# Altium PCB EPS.PcbDoc (part 4 of 11) (continued)
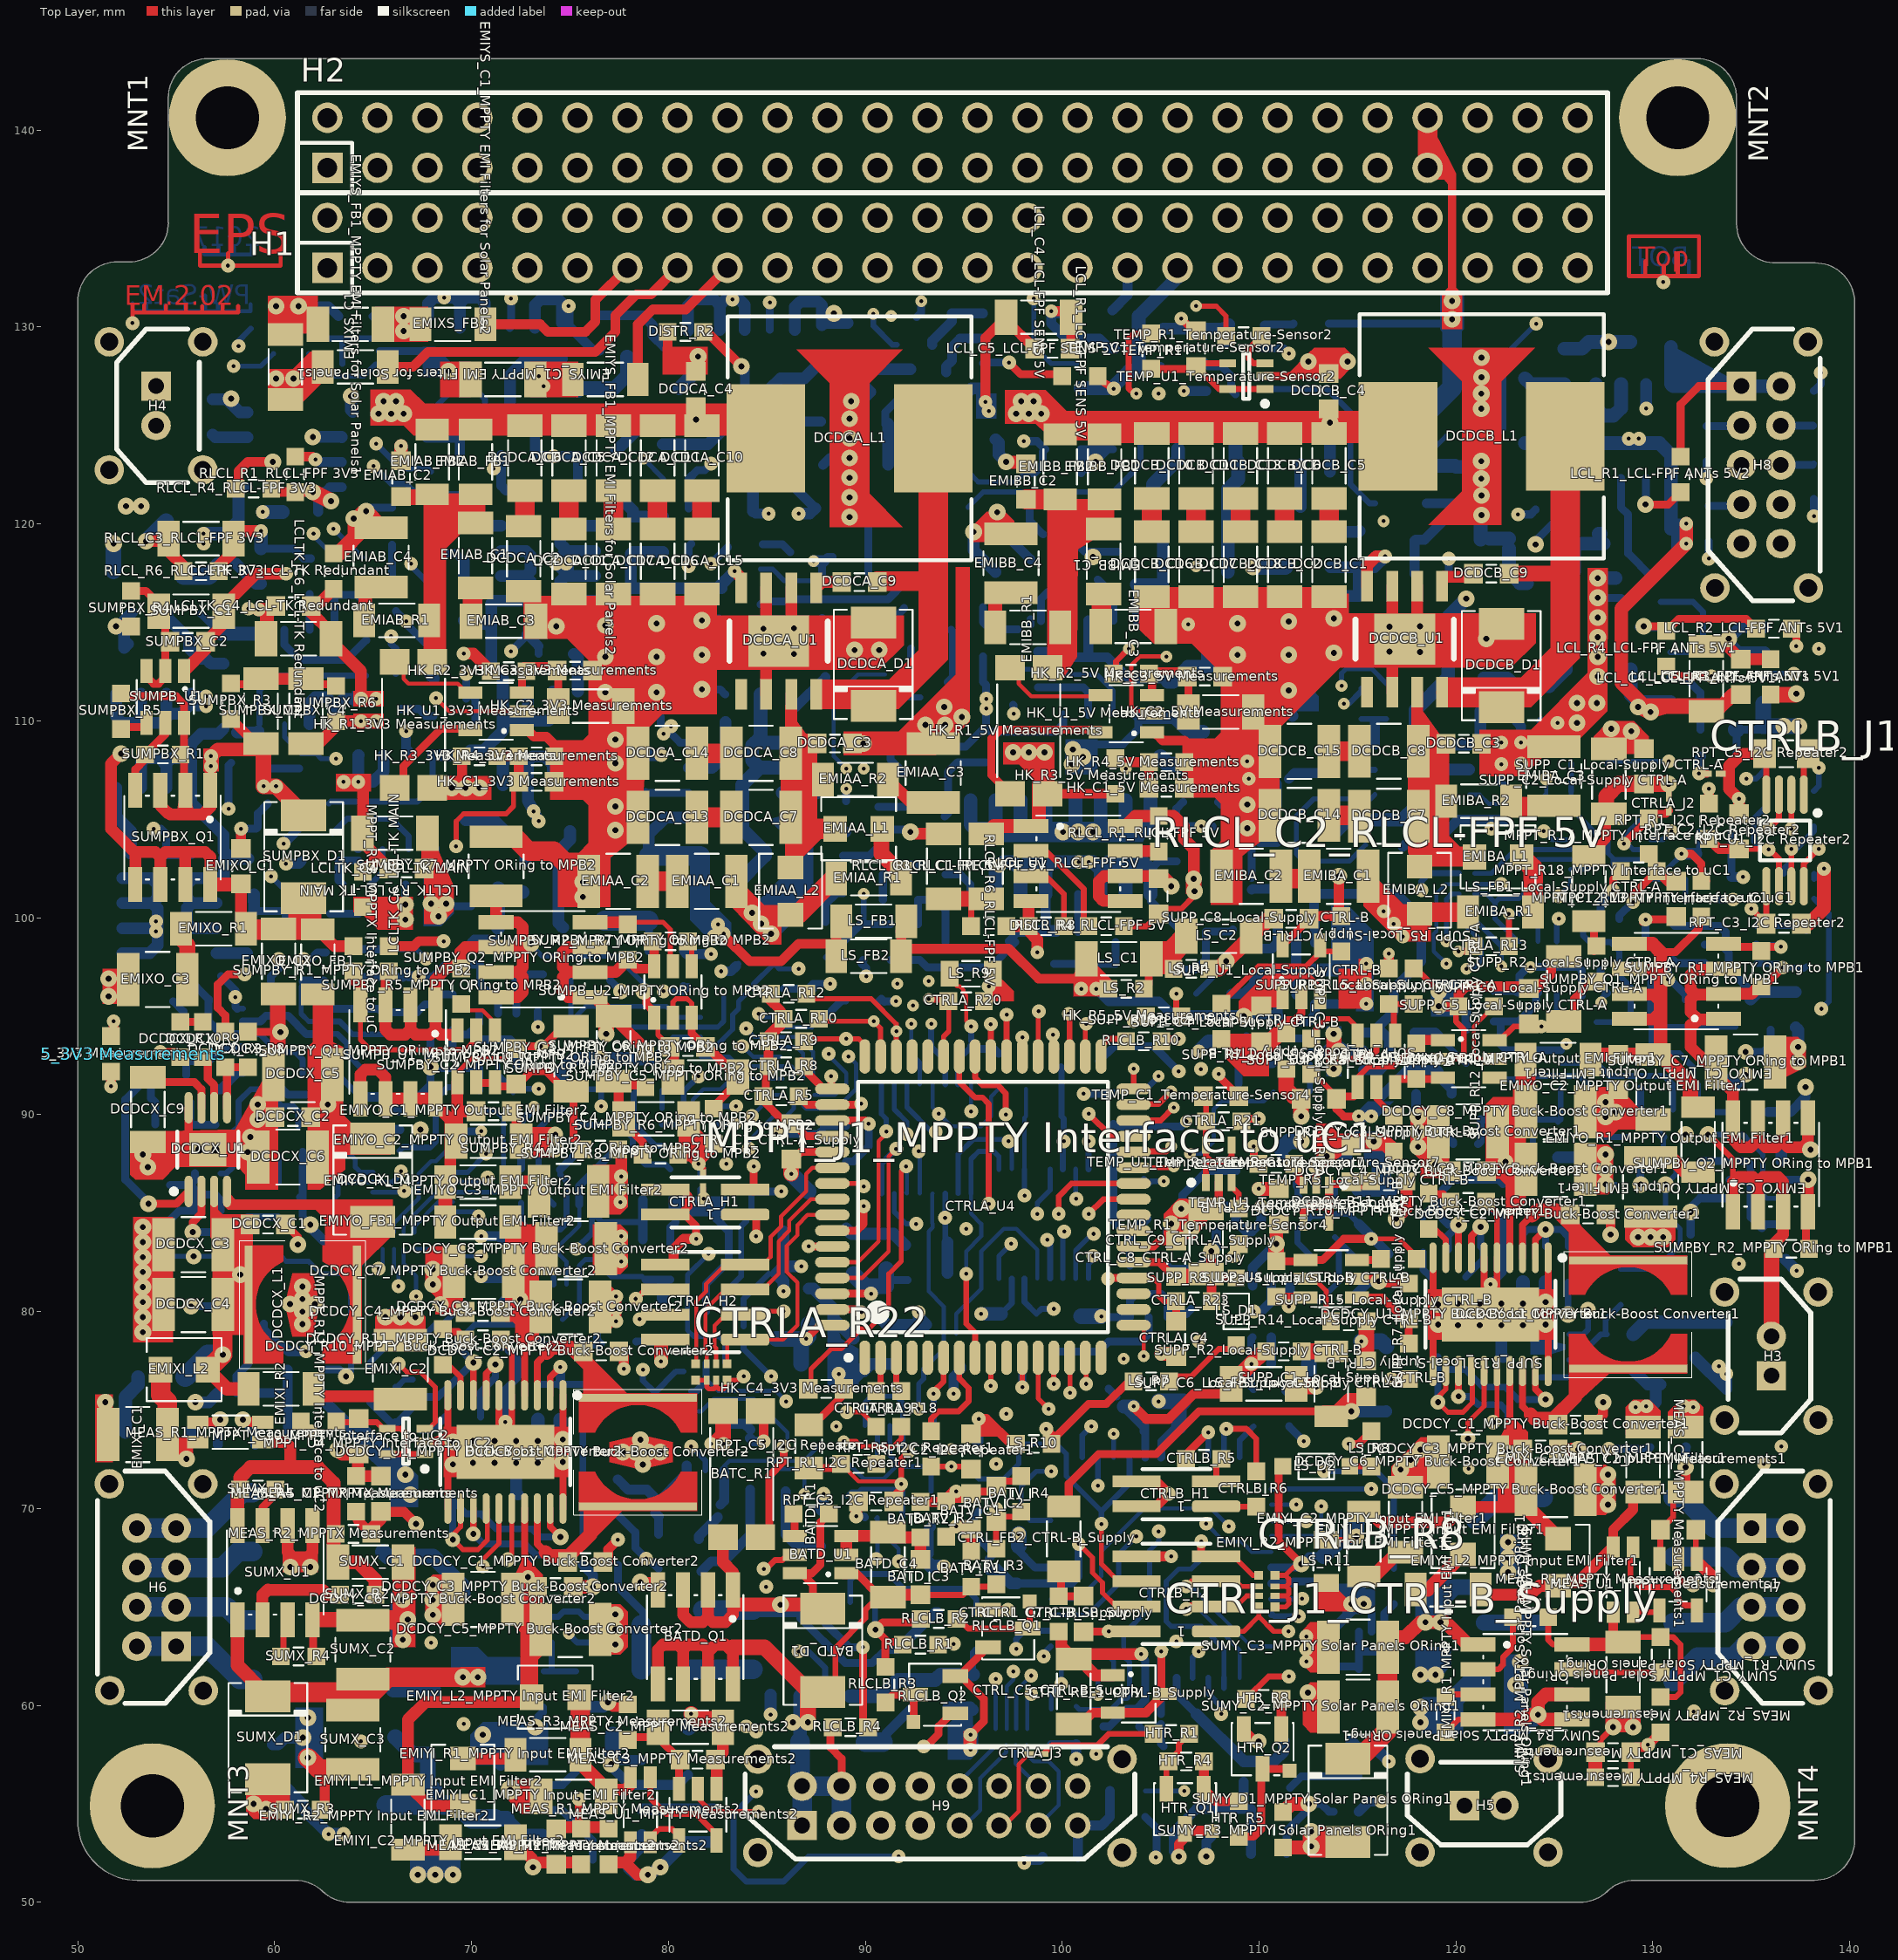
[diagram p0: Top Layer view]
## Part data (continued)
"DCDCY_U1_MPPTY Buck-Boost Converter1" "DCDCY_U1_MPPTY Buck-Boost Converter2": "40V, 2A Synchronous Buck-Boost DC/DC Converter, 20-pin SOP (FE-20-EPV-CA), -40 to 150 degC, Pb-Free", Manufacturer="Linear Technology", Package=FE-20-EPV-CA
EMIAA_L1 EMIBA_L1 EMIXI_L1 "EMIYI_L1_MPPTY Input EMI Filter1" "EMIYI_L1_MPPTY Input EMI Filter2": library part IHLP1212BZERR56M11, "Vishay IHLP1212 Inductor, L=0.56uH, Irise40deg=5.5A, ESR=16mR, SRF=1MHz.", Manufacturer=Vishay, ManufacturerPartNumber=IHLP1212BZERR56M11
EMIAA_L2 EMIBA_L2 EMIXI_L2 "EMIYI_L2_MPPTY Input EMI Filter1" "EMIYI_L2_MPPTY Input EMI Filter2": library part IHLP1212BZER1R0M11, "Vishay IHLP1212 Inductor, L=1uH, Irise40deg=5A, ESR=20mR, SRF=1MHz.", Manufacturer=Vishay, ManufacturerPartNumber=IHLP1212BZER1R0M11
EMIAA_R1 EMIBA_R1 EMIXI_R1 "EMIYI_R1_MPPTY Input EMI Filter1" "EMIYI_R1_MPPTY Input EMI Filter2": library part ERJ-8BQFR22V, "Panasonic Resistor 0.22R 1% 1206 330mW", Manufacturer=Panasonic, Package=1206, ManufacturerPartNumber=ERJ-8BQFR22V
EMIAA_R2 EMIBA_R2: library part ERJ-8BQF1R0V, "Panasonic Resistor 1R 1% 1206 330mW", Manufacturer=Panasonic, Package=1206, ManufacturerPartNumber=ERJ-8BQF1R0V
EMIAB_R1 EMIBB_R1 EMIVBAT_R1: library part CRCW12061R00FKxxxx, "1R/1% Vishay CRCW 1206 Resistor. 250mW, 100ppm, 200V.", Manufacturer=Vishay, Package=1206, ManufacturerPartNumber=CRCW12061R00FKxxxx
EMIXI_R2 "EMIYI_R2_MPPTY Input EMI Filter1" "EMIYI_R2_MPPTY Input EMI Filter2": library part ERJ-8BQFR33V, "Panasonic Resistor 0.33R 1% 1206 330mW", Manufacturer=Panasonic, Package=1206, ManufacturerPartNumber=ERJ-8BQFR33V
EMIXO_R1 "EMIYO_R1_MPPTY Output EMI Filter1" "EMIYO_R1_MPPTY Output EMI Filter2": library part ERJ-8BQFR47V, "Panasonic Resistor 0.47R 1% 1206 330mW", Manufacturer=Panasonic, Package=1206, ManufacturerPartNumber=ERJ-8BQFR47V
EMIXS_T1 EMIXS_T2 "EMIYS_T1_MPPTY EMI Filters for Solar Panels1" "EMIYS_T1_MPPTY EMI Filters for Solar Panels2": library part ACM7060-301-2PL-TL01, "TDK ACM7060-301 Common Mode Choke", Manufacturer=TDK, ManufacturerPartNumber=ACM7060-301-2PL-TL01
H1 H2: library part Samtec_ESQ-126-xx-x-D, "Samtec ESQ Series Header , 2.54mm pitch, 2x26pin. PC-104 Stack Connector.", HelpUrl=http://suddendocs.samtec.com/catalog_english/esq_th.pdf
H3 H4 H5: library part Harwin_Datamate_L-Tek_1x2pin, "Harwin DataMate L-Tek, 2mm pitch, 1x2pin."
H6 H7: library part Harwin_Datamate_L-Tek_2x4pin, "Harwin DataMate L-Tek, 2mm pitch, 2x4pin."
H8: library part Harwin_Datamate_L-Tek_2x5pin, "Harwin DataMate L-Tek, 2mm pitch, 2x5pin."
H9: library part Harwin_Datamate_L-Tek_2x8pin, "Harwin DataMate L-Tek, 2mm pitch, 2x8pin."
"HK_U1_3V3 Measurements" "HK_U1_5V Measurements" "HK_U1_VBAT Measurements": "High-Side Current-Sense Amplifier with Voltage Output", Manufacturer="Maxim Integrated Products"
HTR_Q1: "Silicon Planar Epitaxial PNP Transistor.", Manufacturer=Semelab-TT
HTR_Q2 "LCLTK_Q2_LCL-TK MAIN" "LCLTK_Q2_LCL-TK Redundant" "LCLTK_Q4_LCL-TK MAIN" "LCLTK_Q4_LCL-TK Redundant" RBL_Q2 RBL_Q4 RLCLB_Q1 RLCLB_Q2 SEL_Q1 SEL_Q2: "Silicon Planar Epitaxial NPN Transistor.", Manufacturer=Semelab-TT
HTR_Q3: "N-Channel Enhancement Mode MOS Transistor.", Manufacturer=Semelab-TT
"LCL_U1_LCL-FPF ANTs 5V1" "LCL_U1_LCL-FPF ANTs 5V2" "LCL_U1_LCL-FPF CAMnadir 3V3" "LCL_U1_LCL-FPF CAMwing 3V3" "LCL_U1_LCL-FPF SENS 5V" "LCL_U1_LCL-FPF SunS 3V3" "LCLTK_U1_LCL-TK MAIN" "LCLTK_U1_LCL-TK Redundant" "RLCL_U1_DCDC RLCL" "RLCL_U1_VBAT RLCL" RLCLB_U1 SUMX_U1 "SUMY_U1_MPPTY Solar Panels ORing1" "SUMY_U1_MPPTY Solar Panels ORing2": "Adj over-current protection 0.4-2A, Load Switch", Manufacturer="Fairchild Semiconductor"
LS_D1 LS_D2: "Small Signal Fast Switching Diode", Manufacturer=Vishay
LS_R9 LS_R11: library part Res, Package=0805
"MEAS_R1_MPPTX Measurements" "MEAS_R1_MPPTY Measurements1" "MEAS_R1_MPPTY Measurements2": library part ERJ-8BWFR068V, "Panasonic Resistor 68mR 1% 1206 1W", Manufacturer=Panasonic, Package=1206_Shunt, ManufacturerPartNumber=ERJ-8BWFR068V
MNT1 MNT2 MNT3 MNT4: library part MntHole, "PCB Mounting Hole"
"MPPT_U1_MPPTX Interface to uC" "MPPT_U1_MPPTY Interface to uC1" "MPPT_U1_MPPTY Interface to uC2": "Rail-to-rail, quad operational amplifier. Library compatible with LTC608X LTC607X op-amps", Manufacturer="Linear Technology"
"MPPT_U2_MPPTX Interface to uC" "MPPT_U2_MPPTY Interface to uC1" "MPPT_U2_MPPTY Interface to uC2": "12-Bit Micro Power, RRO Digital-to-Analog Converter.", Manufacturer="Texas Instruments"
"MPPT_U3_MPPTX Interface to uC" "MPPT_U3_MPPTY Interface to uC1" "MPPT_U3_MPPTY Interface to uC2": library part ADC124S021CIMM/NOPB, Manufacturer="Texas Instruments", ManufacturerPartNumber=ADC124S021CIMM/NOPB
"MPPT_U4_MPPTX Interface to uC" "MPPT_U4_MPPTY Interface to uC1" "MPPT_U4_MPPTY Interface to uC2" TEMP_U1_Temperature-Sensor1 TEMP_U1_Temperature-Sensor2 TEMP_U1_Temperature-Sensor3 TEMP_U1_Temperature-Sensor4 TEMP_U1_Temperature-Sensor5 TEMP_U1_Temperature-Sensor6 TEMP_U1_Temperature-Sensor7: "Analog Temperature Sensors with Class-AB Output"
"MPPT_U5_MPPTX Interface to uC" "MPPT_U5_MPPTY Interface to uC1" "MPPT_U5_MPPTY Interface to uC2": library part TLV2370IDBVR, "3-MHz Rail-to-Rail In/Out Single Operational Amplifier", Manufacturer="Texas Instruments", HelpUrl=http://www.ti.com/lit/ds/symlink/tlv2370.pdf, ManufacturerPartNumber=TLV2370IDBVR
"RLCL_U1_RLCL-FPF 3V3" "RLCL_U1_RLCL-FPF 5V": "Adj over-current protection 0.4-2A with auto-reset, Load Switch", Manufacturer="Fairchild Semiconductor"
"RPT_C1_I2C Repeater1" "RPT_C1_I2C Repeater2" "RPT_C2_I2C Repeater1" "RPT_C2_I2C Repeater2": library part Cer_GCM1885C1H100JA16D, "Ceramic Cap Murata Automotive 10p/50V C0G 0603", Manufacturer=Murata, ManufacturerPartNumber=GCM1885C1H100JA16D, Package=0603
"RPT_C5_I2C Repeater1" "RPT_C5_I2C Repeater2": Package=0805
"RPT_R3_I2C Repeater1" "RPT_R3_I2C Repeater2" "RPT_R4_I2C Repeater1" "RPT_R4_I2C Repeater2" "RPT_R5_I2C Repeater1" "RPT_R5_I2C Repeater2" "RPT_R6_I2C Repeater1" "RPT_R6_I2C Repeater2": library part CRCW0603100RFKxxxx, "100R/1% Vishay CRCW 0603 Resistor. 100mW, 100ppm, 75V.", Manufacturer=Vishay, Package=0603, ManufacturerPartNumber=CRCW0603100RFKxxxx
"RPT_U1_I2C Repeater1" "RPT_U1_I2C Repeater2": "Level-Translating I2C Bus Repeater", Manufacturer="Texas Instruments", ManufacturerPartNumber=PCA9517
SEL_D1 SEL_D2 SEL_D3 SEL_D4 SEL_D5 SEL_D6: "Madium Power AF Schottky 750mA 40V Diode", Manufacturer=Infineon
SUMX_C2 SUMX_C3 "SUMY_C2_MPPTY Solar Panels ORing1" "SUMY_C2_MPPTY Solar Panels ORing2" "SUMY_C3_MPPTY Solar Panels ORing1" "SUMY_C3_MPPTY Solar Panels ORing2": library part Cer_GCM32EC7YA106KA03K, "Ceramic Cap Murata Automotive 10u/35V X7S 1210", Manufacturer=Murata, ManufacturerPartNumber=GCM32EC7YA106KA03K, Package=1210
"SUPP_U1_Local-Supply CTRL-A" "SUPP_U1_Local-Supply CTRL-B" "SUPP_U2_Local-Supply CTRL-A" "SUPP_U2_Local-Supply CTRL-B": "100mA, Regulated, Low Noise, LDO Micropower Regulator in TSOT-23", Manufacturer="Linear Technology"
"SUPP_U3_Local-Supply CTRL-A" "SUPP_U3_Local-Supply CTRL-B": "Adjustable Current-Limited Power-Distribution Switch.", Manufacturer="Texas Instruments"
"SUPP_U4_Local-Supply CTRL-A" "SUPP_U4_Local-Supply CTRL-B": "Processor Supervisory Circuits with Window-Watchdog.", Manufacturer="Texas Instruments"

## Via types
v1: diameter 0.7, hole 0.2, Top Layer to Bottom Layer, 431 vias
v2: diameter 0.85, hole 0.3, Top Layer to Bottom Layer, 345 vias
v3: diameter 0.6, hole 0.2, Top Layer to Bottom Layer, 62 vias
v4: diameter 0.8, hole 0.3, Top Layer to Bottom Layer, 19 vias
v5: diameter 0.75, hole 0.3, Top Layer to Bottom Layer, 7 vias
v6: diameter 1, hole 0.4, Top Layer to Bottom Layer, 2 vias
v7: diameter 0.7, hole 0.3, Top Layer to Bottom Layer, 2 vias
v8: diameter 1, hole 0.3, Top Layer to Bottom Layer, 1 vias

## Nets (pads, with @x,y where several pads share a name; then routed paths per layer and width w, separated by ;. In a path a pad name is that pad's centre, name@x,y a point inside that pad or via, vN(x,y) a via of type N, cw(c..) or ccw(c..) an arc to the next point about the centre after c; other vN are vias at no path point)
AGND: "MPPT_C3_MPPTX Interface to uC.1" "MPPT_C3_MPPTY Interface to uC1.1" "MPPT_C3_MPPTY Interface to uC2.1" "MPPT_C5_MPPTX Interface to uC.2" "MPPT_C5_MPPTY Interface to uC1.2" "MPPT_C5_MPPTY Interface to uC2.2" "MPPT_C6_MPPTX Interface to uC.1" "MPPT_C6_MPPTY Interface to uC1.1" "MPPT_C6_MPPTY Interface to uC2.1" "MPPT_C7_MPPTX Interface to uC.1" "MPPT_C7_MPPTY Interface to uC1.1" "MPPT_C7_MPPTY Interface to uC2.1" "MPPT_C8_MPPTX Interface to uC.2" "MPPT_C8_MPPTY Interface to uC1.2" "MPPT_C8_MPPTY Interface to uC2.2" "MPPT_C9_MPPTX Interface to uC.1" "MPPT_C9_MPPTY Interface to uC1.1" "MPPT_C9_MPPTY Interface to uC2.1" "MPPT_C11_MPPTX Interface to uC.1" "MPPT_C11_MPPTY Interface to uC1.1" "MPPT_C11_MPPTY Interface to uC2.1" "MPPT_C12_MPPTX Interface to uC.1" "MPPT_C12_MPPTY Interface to uC1.1" "MPPT_C12_MPPTY Interface to uC2.1" "MPPT_J1_MPPTX Interface to uC.2" "MPPT_J1_MPPTY Interface to uC1.2" "MPPT_J1_MPPTY Interface to uC2.2" "MPPT_R3_MPPTX Interface to uC.1" "MPPT_R3_MPPTY Interface to uC1.1" "MPPT_R3_MPPTY Interface to uC2.1" "MPPT_R7_MPPTX Interface to uC.1" "MPPT_R7_MPPTY Interface to uC1.1" "MPPT_R7_MPPTY Interface to uC2.1" "MPPT_R9_MPPTX Interface to uC.1" "MPPT_R9_MPPTY Interface to uC1.1" "MPPT_R9_MPPTY Interface to uC2.1" "MPPT_R14_MPPTX Interface to uC.1" "MPPT_R14_MPPTY Interface to uC1.1" "MPPT_R14_MPPTY Interface to uC2.1" "MPPT_R18_MPPTX Interface to uC.2" "MPPT_R18_MPPTY Interface to uC1.2" "MPPT_R18_MPPTY Interface to uC2.2" "MPPT_U1_MPPTX Interface to uC.4" "MPPT_U1_MPPTY Interface to uC1.4" "MPPT_U1_MPPTY Interface to uC2.4" "MPPT_U2_MPPTX Interface to uC.2" "MPPT_U2_MPPTY Interface to uC1.2" "MPPT_U2_MPPTY Interface to uC2.2" "MPPT_U3_MPPTX Interface to uC.3" "MPPT_U3_MPPTY Interface to uC1.3" "MPPT_U3_MPPTY Interface to uC2.3" "MPPT_U5_MPPTX Interface to uC.2" "MPPT_U5_MPPTY Interface to uC1.2" "MPPT_U5_MPPTY Interface to uC2.2" | length 78.3
  Top Layer w0.3: 81.763,86.258 81.763,85.75 v1(81.788,85.725)
  Top Layer w0.4: v1(127.978,101.384) 127.978,101.954 128.386,102.362 ; v1@129.502,99.784 v1(129.629,99.911) 130.783,99.911 130.899,100.027
  Bottom Layer w0.254: 64.993,86.068 66.637,86.068 66.586,86.119 v1(66.577,86.119) ; 79.121,92.826 80.237,93.942 81.63,93.942 ; 127.724,105.245 127.724,103.289 128.054,102.959 129.876,102.959 ; v1(127.978,101.384) 127.978,102.959
  Bottom Layer w0.3: 58.094,95.384 58.382,95.384 ; 64.135,89.143 64.235,89.243 ; 72.86,81.739 72.898,81.777 73.506,82.385 74.003,82.385 74.171,82.217 74.171,81.376 ; 79.678,89.497 80.48,89.497 80.772,89.789 80.772,91.186 v1(81.534,91.948) ; 81.61,86.208 81.61,85.903 v1(81.788,85.725) ; 87.312,96.468 87.376,96.404
  Bottom Layer w0.4: v2(55.753,80.264) 56.758,80.264 57.647,79.375 ; 57.288,97.028 58.001,96.315 v1(58.001,95.974) 58.001,95.477 58.094,95.384 ; 61.292,85.814 61.419,85.687 ; 61.419,88.1 61.419,85.687 ; v2(61.811,84.417) 61.419,84.809 61.419,85.687 ; 64.478,97.001 66.521,97.001 ; v1(67.307,97.023) 68.067,97.023 68.669,97.625 70.436,97.625 70.436,96.482 70.574,96.482 71.336,95.72 71.336,95.125 ; 80.099,83.412 80.099,84.279 80.364,84.544 ; v1(81.788,85.725) 82.285,85.228 82.285,84.963 ; 81.915,80.012 81.915,81.407 83.058,82.55 83.058,84.074 82.423,84.709 ; 85.863,96.393 85.863,96.404 87.365,96.404 87.238,96.531 87.376,96.531 ; 87.348,96.641 v1(88.216,96.641) ; 121.92,94.742 123.19,94.742 124.066,95.618 124.066,96.086 124.168,96.188 ; 122.263,94.566 122.263,93.572 122.39,93.445 122.569,93.266 125.318,93.266 ; 127.343,99.951 127.343,100.749 v1(127.978,101.384) ; 129.364,87.592 129.364,86.46 v2(129.375,86.449) ; 129.629,98.906 v1(129.629,99.911) ; 132.931,92.661 134.085,91.507 134.085,91.402 ; 133.985,102.07 133.985,104.24
  Bottom Layer w0.5: v2(61.811,84.417) 61.811,84.279 63.208,82.882 ; 64.235,89.243 66.343,89.243 ; 66.521,97.001 66.675,97.155 66.807,97.023 v1(67.307,97.023) ; 127.724,106.515 127.724,105.361 127.84,105.245 ; 133.985,102.07 v1(134.582,102.07)
  Bottom Layer w0.6: 71.59,81.739 72.86,81.739 ; 134.085,91.402 v4(134.709,92.026)
  Bottom Layer w0.7: v1(70.485,81.788) 71.541,81.788 ; 74.612,92.023 74.612,92.266 75.184,92.837 76.454,92.837 v1(76.581,92.964) 76.708,92.837 79.121,92.837
  other v2: 67.399,89.243
  other v3: 125.603,93.599
BAT_MEAS_VOLTAGE_N: BATV_C1.1 BATV_R1.2 BATV_R2.1 CTRLA_U3.10 | length 23.3
  Top Layer w0.4: BATV_R2.1@94.069,68.531 94.069,68.771 94.298,68.771 v1(94.615,69.088) 94.693,69.166 BATV_C1.1@95.339,69.166
  Top Layer w0.6: BATV_R1.2@95.377,67.829 BATV_C1.1@95.377,68.95
  Signal 1 w0.254: v1(94.615,69.088) 97.409,71.882 97.409,73.152 97.917,73.66 97.917,74.93 98.806,75.819 98.806,81.226 101.527,83.947 v1(101.6,83.947)
  Bottom Layer w0.254: CTRLA_U3.10@100.685,81.68 100.685,83.105 101.527,83.947 v1(101.6,83.947)
BAT_MEAS_VOLTAGE_R: BATV_C2.1 BATV_R3.2 BATV_R4.1 CTRLB_U1.36 | length 17.3
  Top Layer w0.3: BATV_R3.2@96.647,67.956 BATV_C2.1@96.647,69.331 96.901,69.585 BATV_R4.1@97.917,69.585
  Control Signals 2 w0.3: v1(96.647,69.977) 102.362,69.977 v1(103.759,68.58)
  Bottom Layer w0.254: CTRLB_U1.36@99.417,64.593 101.296,64.593 102.87,66.167 102.87,67.691 v1(103.759,68.58)
CHRG_LCL_FB: CTRLA_R20.2 CTRLA_U4.43 RLCLB_U1.7 | length 49.6
  Top Layer w0.254: CTRLA_U4.43@93.974,92.956 93.974,93.974 94.234,94.234 CTRLA_R20.2@94.234,95.62
  Top Layer w0.4: v3(93.218,95.885) 93.842,95.885 94.096,95.631 CTRLA_R20.2@94.223,95.758 CTRLA_R20.2@94.234,95.747
  Signal 1 w0.254: v3(88.519,74.168) 89.662,74.168 90.424,74.93 90.424,78.359 88.392,80.391 88.392,90.678 91.313,93.599 93.472,93.599 94.107,94.234 94.107,94.996 v3(93.218,95.885)
  Signal 2 w0.254: v1(86.614,62.738) 83.947,65.405 83.947,69.596 v3(88.519,74.168) v3@88.519,74.041
  Bottom Layer w0.3: v1(86.614,62.738) 87.122,62.738 87.958,61.902 RLCLB_U1.7@87.958,60.467
CHRG_LCLN_ON: CTRLA_U4.33 RLCLB_R10.1 | length 1.7
  Top Layer w0.3: CTRLA_U4.33@101.97,92.96 CTRLA_U4.33@101.974,92.956 ; CTRLA_U4.33@101.981,93.218 101.981,93.472 102.362,93.853 RLCLB_R10.1@103.24,93.853
CHRG_LCLR_ON: CTRLB_U1.11 RLCLB_R9.1 | length 1.9
  Bottom Layer w0.3: CTRLB_U1.11@109.017,72.593 109.017,73.468 RLCLB_R9.1@109.717,74.168
CHRG_MEAS_CURRENT: BATC_U1.2 CTRLA_U3.12 | length 31
  Signal 2 w0.208: v3(86.903,70.726) 86.881,70.726 86.881,69.456 87.503,68.834 93.091,68.834 94.466,70.209 94.887,70.209 95.377,70.699 95.377,72.263 96.498,73.384 96.498,75.162 96.52,75.184
  Signal 2 w0.254: 96.52,75.184 97.155,75.819 97.155,78.105 98.298,79.248 98.298,82.702 v1(99.238,83.642)
  Bottom Layer w0.208: BATC_U1.2@85.052,71.169 85.052,71.717 85.344,72.009 86.614,72.009 86.903,71.72 v3(86.903,70.726)
  Bottom Layer w0.3: v1(99.238,83.642) 99.385,83.495 CTRLA_U3.12@99.385,81.68
CTRLA_3V3A: "HK_R2_3V3 Measurements.1" "HK_R2_5V Measurements.1" "HK_R2_VBAT Measurements.1" "LS_FB1_Local-Supply CTRL-A.2" "MEAS_R3_MPPTX Measurements.1" "MEAS_R3_MPPTY Measurements1.1" "MEAS_R3_MPPTY Measurements2.1" "SUPP_C1_Local-Supply CTRL-A.1" "SUPP_C2_Local-Supply CTRL-A.1" "TEMP_R5_Local-Supply CTRL-A.2" CTRL_FB1_CTRL-A_Supply.1 CTRL_FB2_CTRL-A_Supply.1 CTRLA_C1.1 CTRLA_C3.1 CTRLA_J1.2 CTRLA_J2.2 CTRLA_J4.2 CTRLA_R21.2 CTRLA_U2.14 CTRLA_U3.14 TEMP_R1.2 TEMP_R2.2 TEMP_R4.2 | length 325.2
  Top Layer w0.3: 102.732,112.395 102.732,113.019 v3(103.378,113.665) ; v3(103.759,126.619) 103.632,126.619 103.378,126.873 103.378,129.413 103.643,129.678 TEMP_R1.2@104.521,129.678 ; v2(130.799,106.796) 130.81,106.785 CTRLA_J2.2@130.81,106.147
  Top Layer w0.4: CTRLA_R21.2@109.104,89.662 109.231,89.789 v1(109.982,89.789)
  Top Layer w0.5: v2(76.924,60.16) 77.167,59.917 77.94,59.917 ; 126.746,103.123 127.635,104.012 127.635,105.526
  Top Layer w0.6: v1(69.596,113.411) 70.093,113.411 70.982,112.522
  Top Layer w0.8: 127.635,105.526 127.635,106.172 128.259,106.796 129.54,106.796 v2(130.799,106.796)
  Power w0.6: v1(99.568,80.137) 99.568,79.629 100.33,78.867 104.775,78.867 105.918,80.01 108.204,80.01 109.855,81.661 109.855,83.058 108.463,84.45 108.463,88.778 109.474,89.789 v1(109.982,89.789)
  Signal 1 w0.6: v4(63.627,76.708) 63.627,75.565 64.262,74.93 64.262,69.977 67.159,67.08 68.429,67.08 75.349,60.16 v2(76.924,60.16)
  Signal 2 w0.6: v4(63.627,76.708) 65.278,78.359 68.072,78.359 68.707,78.994 75.316,78.994 75.824,78.486 82.423,78.486 84.963,81.026 v1(85.852,81.026) ; v1(69.596,113.411) 70.358,113.411 75.438,108.331 75.438,104.14 77.089,102.489 90.297,102.489 94.071,98.715 94.071,95.278 93.409,94.615 v3(93.345,94.615) ; v1(127.762,73.025) 126.492,74.295 126.492,76.454 128.905,78.867 128.905,80.264 133.858,85.217 133.858,89.789 132.461,91.186 132.461,104.267 130.799,105.929 v2(130.799,106.796)
  Signal 2 w0.7: v3(103.378,113.665) 103.378,114.808 105.156,116.586 117.983,116.586 v1(119.634,118.237) 120.65,118.237 124.079,114.808 124.079,109.588 126.871,106.796 v2(130.799,106.796)
  Control Signals 1 w0.3: v1(58.166,129.032) 60.833,129.032 62.865,127 62.865,123.952 65.786,121.031 65.786,117.983 69.596,114.173 v1(69.596,113.411)
  Control Signals 2 w0.3: v3(103.378,113.665) 103.378,126.238 v3(103.759,126.619)
  Control Signals 2 w0.6: v1(86.741,82.296) 90.297,82.296 91.567,81.026 98.679,81.026 v1(99.568,80.137) ; v3(93.345,94.615) 94.361,95.631 94.361,98.425 95.631,99.695 109.347,99.695 110.871,98.171
  Control Signals 2 w0.7: v3(103.378,113.665) 106.553,110.49 108.458,110.49 110.871,108.077 110.871,98.171 110.871,92.964 109.982,92.075 v1(109.982,89.789)
  Bottom Layer w0.3: v1(58.166,129.032) 58.039,129.032 57.97,129.101 58.033,129.165 TEMP_R4.2@58.79,129.921 ; v4(63.627,76.708) 63.881,76.962 CTRLA_J1.2@63.881,79.146 ; CTRLA_J4.2@83.82,79.248 CTRLA_J4.2@83.82,79.35 83.82,80.645 CTRL_FB1_CTRL-A_Supply.1@85.09,81.915 ; CTRL_FB1_CTRL-A_Supply.1@85.343,81.914 CTRL_FB1_CTRL-A_Supply.1@85.471,81.914 ; v3(93.345,94.615) 93.345,93.461 94.066,92.74 CTRLA_U2.14@94.066,91.548 ; CTRLA_U3.14@98.085,81.68 98.085,80.488 CTRLA_C3.1@98.69,79.883 98.944,80.137 v1(99.568,80.137)
  Bottom Layer w0.4: 62.457,77.051 63.284,77.051 v4(63.627,76.708) ; 108.966,89.778 109.971,89.778 v1(109.982,89.789) ; v1(119.634,118.237) 119.634,117.232 119.645,117.221 ; v1(127.762,73.025) 129.783,73.025 129.872,73.114
  Bottom Layer w0.6: TEMP_R2.2@75.311,59.933 76.697,59.933 v2(76.924,60.16) ; v1(85.852,81.026) 85.852,81.533 85.471,81.914 CTRL_FB1_CTRL-A_Supply.1@85.852,82.295 ; CTRL_FB2_CTRL-A_Supply.1@85.852,84.074 CTRL_FB1_CTRL-A_Supply.1@85.852,82.295 ; v1(86.741,82.296) 85.853,82.296 CTRL_FB1_CTRL-A_Supply.1@85.852,82.295
CTRLA_3V3D: "RLCL_R3_DCDC RLCL.2" "RLCL_R3_VBAT RLCL.2" "RPT_C3_I2C Repeater1.2" "RPT_C5_I2C Repeater1.1" "RPT_R1_I2C Repeater1.1" "RPT_R2_I2C Repeater1.1" "RPT_U1_I2C Repeater1.1" "RPT_U1_I2C Repeater1.5" "RPT_U1_I2C Repeater1.8" "SUPP_C5_Local-Supply CTRL-A.1" "SUPP_C6_Local-Supply CTRL-A.1" "SUPP_R2_Local-Supply CTRL-A.1" "SUPP_U3_Local-Supply CTRL-A.6" BATC_R3.1 BATC_R4.1 CTRL_C1_CTRL-A_Supply.1 CTRL_C2_CTRL-A_Supply.1 CTRL_C8_CTRL-A_Supply.1 CTRL_C9_CTRL-A_Supply.1 CTRLA_C5.1 CTRLA_H2.4 CTRLA_J3.2 CTRLA_R2.1 CTRLA_R5.1 CTRLA_R8.1 CTRLA_R9.1 CTRLA_R10.1 CTRLA_R12.1 CTRLA_R20.1 CTRLA_R22.1 CTRLA_R22.2 CTRLA_R22.3 CTRLA_R22.4 CTRLA_R23.2 CTRLA_U1.5 CTRLA_U2.2 CTRLA_U3.2 CTRLA_U4.21 CTRLA_U4.52 CTRLB_R3.2 HTR_R1.2 LS_D1.A LS_R9.2 SEL_C2.1 SEL_R10.2 SEL_U1.5 | length 331.2
  Top Layer w0.208: 88.762,72.263 89.651,71.374 91.694,71.374 v1(91.821,71.247)
  Top Layer w0.254: CTRLA_R22.1@81.382,76.517 CTRLA_R22.2@81.94,76.517 81.94,76.175 82.042,76.073 82.296,76.073 82.423,76.2 ; CTRLA_R22.3@82.423,76.517 82.423,76.2 ; v1@83.82,76.517 CTRLA_R22.4@82.982,76.517 82.982,76.251 82.804,76.073 82.55,76.073 82.423,76.2
  Top Layer w0.3: v1(91.821,71.247) 91.821,72.517 v1(92.202,72.898) ; v1@96.15,96.404 96.223,96.477 LS_R9.2@96.223,97.155 ; CTRLA_J3.2@99.035,57.531 99.484,57.98 101.795,57.98 ; v1(101.727,57.531) 101.795,57.599 101.795,57.98 ; HTR_R1.2@104.51,58.42 104.383,58.547 102.362,58.547 101.795,57.98 ; CTRL_C9_CTRL-A_Supply.1@107.315,81.916 CTRL_C9_CTRL-A_Supply.1@107.521,81.71 ; 121.96,93.787 122.235,93.787 122.925,94.477 123.698,94.477
  Top Layer w0.4: CTRLA_R8.1@84.952,92.456 84.952,90.932 84.925,90.88 84.825,90.689 85.852,89.662 CTRL_C1_CTRL-A_Supply.1@85.852,89.408 ; v1(85.471,89.027) CTRL_C1_CTRL-A_Supply.1@85.852,89.408 ; CTRL_C1_CTRL-A_Supply.1@86.233,89.546 85.99,89.546 CTRL_C1_CTRL-A_Supply.1@85.852,89.408 ; CTRL_C1_CTRL-A_Supply.1@86.36,89.546 87,88.906 CTRLA_U4.52@88.324,88.906 ; 87.122,72.052 88.551,72.052 88.762,72.263 ; 91.451,70.358 91.451,70.623 91.821,70.993 v1(91.821,71.247) ; CTRLA_R20.1@96.023,95.758 96.266,96.001 v1(96.266,96.52) ; CTRLA_U4.21@103.624,82.506 104.935,82.506 CTRL_C8_CTRL-A_Supply.1@105.664,81.777 ; CTRL_C9_CTRL-A_Supply.1@107.176,81.777 CTRL_C9_CTRL-A_Supply.1@107.315,81.916 ; CTRL_C9_CTRL-A_Supply.1@107.521,81.71 LS_D1.A@108.839,81.71 ; 123.698,94.477 123.825,94.477 v1(124.333,94.477) 125.083,94.477 125.476,94.87 125.603,94.87 ; 125.476,94.743 125.603,94.87 ; 127.127,96.763 126.862,96.763 125.984,95.885 125.984,95.251 125.603,94.87
  Top Layer w0.5: CTRLA_R8.1@85.079,92.456 CTRLA_R9.1@85.079,93.726 CTRLA_R9.1@85.079,93.969 ; CTRLA_R12.1@85.079,96.139 85.079,95.896 85.714,95.261 CTRLA_R10.1@85.714,94.604 ; CTRL_C9_CTRL-A_Supply.1@107.315,81.916 107.569,82.17 v2(107.569,83.058) ; CTRL_C9_CTRL-A_Supply.1@107.521,81.71 107.58,81.651 CTRLA_R23.2@107.58,80.518 ; 123.698,94.604 123.825,94.477
  Top Layer w0.6: CTRLA_R9.1@85.079,93.969 CTRLA_R10.1@85.714,94.604
  Top Layer w0.8: CTRL_C8_CTRL-A_Supply.1@105.791,81.777 CTRL_C9_CTRL-A_Supply.1@107.176,81.777
  Power w0.4: v2(107.569,83.058) 107.569,89.154 109.22,90.805 110.49,90.805 110.998,90.297 110.998,87.249 112.522,85.725 114.808,85.725 116.967,87.884 116.967,91.567 119.877,94.477 v1(124.333,94.477)
  Power w0.7: v1(78.867,67.456) 83.82,72.409 v1(83.82,76.708)
  Signal 1 w0.3: v1(91.694,52.324) 96.799,52.324 97.206,52.73 98.603,52.73 99.009,52.324 100.965,52.324 104.775,56.134 104.775,57.785 103.886,58.674 102.362,58.674 101.727,58.039 v1(101.727,57.531)
  Signal 1 w0.4: v1(85.471,89.027) 85.471,95.123 89.027,98.679 94.107,98.679 v1(96.266,96.52) 97.155,96.52 98.053,95.622 98.053,94.938 98.494,94.497 98.727,94.264 98.727,93.012 98.044,92.329 98.044,89.408 v1(97.282,88.646)
  Signal 1 w0.6: v1(78.537,79.609) 79.649,79.609 82.55,76.708 v1(83.82,76.708)
  Signal 1 w0.7: v1(97.282,88.646) 98.425,87.503 102.108,87.503 103.632,85.979 103.632,84.328 104.902,83.058 v2(107.569,83.058)
  Signal 2 w0.3: v1(78.867,67.456) 82.042,64.281 82.042,56.261 82.677,55.626 v1(84.455,55.626)
  Signal 2 w0.5: v1(83.82,76.708) 84.709,77.597 85.979,77.597 87.63,75.946 90.043,75.946 91.567,74.422
  Signal 2 w0.6: v1(92.202,72.898) 91.567,73.533 91.567,74.422 91.567,84.963 92.329,85.725 94.361,85.725 v1(97.282,88.646)
  Control Signals 1 w0.4: v1(79.633,108.255) 81.966,108.255 83.566,109.855 83.566,115.951 86.741,119.126 90.678,119.126 95.758,124.206 v1(98.044,124.206) ; v1(96.266,96.52) 95.504,97.282 95.504,108.331 v1(97.536,110.363)
  Control Signals 2 w0.6: v1(78.537,79.609) 79.502,80.574 79.502,87.122 77.978,88.646 76.708,88.646 75.438,89.916 75.438,96.901 79.633,101.096 v1(79.633,108.255)
  Bottom Layer w0.208: 89.027,70.601 89.292,70.866 89.662,70.866 89.789,70.993 91.694,70.993 v1@91.885,71.183 ; CTRLA_U3.2@97.435,87.23 v1@97.435,88.747
  Bottom Layer w0.254: 89.98,74.207 89.98,75.374 90.297,75.692 91.567,75.692 91.885,75.374 91.885,74.207 ; CTRLA_U2.2@94.716,85.998 94.716,87.985 95.478,88.747 v1@97.435,88.747 ; SEL_R10.2@95.212,122.655 95.731,122.136 97.625,122.136 98.067,122.578 SEL_U1.5@98.347,122.578
  Bottom Layer w0.3: v1(84.455,55.626) 83.312,54.483 83.312,51.689 83.947,51.054 85.852,51.054 87.122,52.324 v1(91.694,52.324) ; 91.885,69.557 v1@91.885,71.183 ; 91.885,74.207 91.885,73.215 v1(92.202,72.898)
  Bottom Layer w0.4: BATC_R4.1@77.432,69.674 78.321,68.785 78.321,68.002 v1(78.867,67.456) 78.975,67.456 BATC_R3.1@79.502,66.929 ; v1(85.471,89.027) 87.63,89.027 87.757,89.154 CTRL_C2_CTRL-A_Supply.1@88.011,88.9 ; CTRL_C2_CTRL-A_Supply.1@87.884,89.419 CTRLA_R2.1@89.027,89.419 ; 97.498,110.822 97.536,110.784 v1(97.536,110.363) ; v1(98.044,124.206) 98.719,124.206 SEL_C2.1@99.138,123.787 99.022,123.671 99.022,123.025 98.575,122.578 SEL_U1.5@98.347,122.578 ; CTRLA_U1.5@105.344,82.336 105.511,82.169 106.31,82.169 CTRLA_C5.1@106.553,81.926 v2@107.569,82.942
  Bottom Layer w0.5: v2@107.823,83.196 CTRLB_R3.2@107.823,84.074
  Bottom Layer w0.6: 78.829,108.177 78.907,108.255 v1(79.633,108.255)
CTRLA_BATC_CURR_DCHRG: BATC_U2.2 CTRLA_U3.11 | length 33.1
  Signal 1 w0.254: v1(81.153,73.152) 81.153,72.517 81.788,71.882 85.979,71.882 86.614,72.517 89.408,72.517 91.186,74.295 93.091,74.295 93.472,74.676 94.923,74.676 95.476,75.229 96.729,75.229 v1(97.155,74.803)
  Signal 2 w0.254: v1(97.155,74.803) 97.663,74.803 98.806,75.946 98.806,81.788 100.098,83.08 v1(100.098,84.06)
  Bottom Layer w0.254: CTRLA_U3.11@100.035,81.68 v1@100.035,84.06
  Bottom Layer w0.3: v1(81.153,73.152) 81.877,72.428 BATC_U2.2@81.877,71.931
CTRLA_BATC_Heater: CTRLA_U4.34 HTR_R8.2 | length 51.8
  Top Layer w0.254: CTRLA_U4.34@101.174,92.956 101.174,94.697 101.219,94.652 v1(101.219,94.615)
  Top Layer w0.3: HTR_R8.2@109.336,60.325 110.479,61.468 v1(111.506,61.468)
  Signal 2 w0.254: v1(101.219,94.615) 102.489,95.885 104.394,95.885 105.156,95.123 107.569,95.123 108.712,93.98 109.474,93.98 114.554,88.9 114.554,80.772 115.951,79.375 115.951,72.517 114.935,71.501 114.935,69.977 113.919,68.961 113.919,62.738 112.649,61.468 v1(111.506,61.468)
CTRLA_BATC_TEMP: CTRLA_U3.13 TEMP_R1_Temperature-Sensor3.2 | length 9.9
  Bottom Layer w0.208: TEMP_R1_Temperature-Sensor3.2@94.615,78.878 94.615,79.883 95.885,81.153 95.885,83.058 97.028,84.201 97.663,84.201 98.735,83.129 CTRLA_U3.13@98.735,81.68
CTRLA_BATC_TMP_C\S\1: CTRLA_R16.8 CTRLA_U4.29 | length 57.7
  Top Layer w0.3: v1(101.346,90.043) 102.483,88.906 CTRLA_U4.29@103.624,88.906 103.63,88.9 CTRLA_U4.29@103.697,88.967
  Signal 1 w0.208: v1(96.647,72.263) 95.631,71.247 95.631,70.866 94.615,69.85 94.234,69.85 93.091,68.707 93.091,62.484 93.98,61.595 94.996,61.595 96.012,60.579 v1(98.425,60.579) ; v1(101.346,90.043) 102.489,90.043 103.505,89.027 106.68,89.027 107.442,88.265 107.442,86.233 110.109,83.566 110.109,81.788 108.077,79.756 108.077,78.359 107.442,77.724 106.553,77.724 105.918,78.359 105.918,78.867 105.41,79.375 103.759,79.375 103.124,78.74 v3(103.124,77.597)
  Signal 2 w0.208: v1(96.647,72.263) 97.663,73.279 99.568,73.279 103.124,76.835 v3(103.124,77.597)
  Bottom Layer w0.208: CTRLA_R16.8@98.222,58.801 98.222,60.376 v1(98.425,60.579)
CTRLA_BATC_TMP_C\S\2: CTRLA_R16.7 CTRLA_U4.30 | length 45.6
  Top Layer w0.3: CTRLA_U4.30@103.624,89.706 105.005,89.706 v3(105.664,90.365)
  Signal 2 w0.208: v1(98.425,61.508) 98.403,61.531 98.403,62.97 101.346,65.913 105.029,65.913 106.404,67.288 106.404,70.717 107.442,71.755 108.712,71.755 109.855,72.898 109.855,75.438 108.712,76.581 108.712,78.74 108.077,79.375 108.077,80.772 109.601,82.296 109.601,83.947 108.712,84.836 108.712,88.646 106.993,90.365 v3(105.664,90.365)
  Bottom Layer w0.208: CTRLA_R16.7@97.663,58.801 97.663,60.746 v1(98.425,61.508) v1@98.421,61.512
CTRLA_BURN_SADS: "LCLTK_R11_LCL-TK MAIN.2" "LCLTK_R12_LCL-TK MAIN.2" CTRLA_U4.42 | length 58.6
  Top Layer w0.3: CTRLA_U4.42@94.774,92.956 94.774,91.662 95.563,90.873 95.944,90.873 96.266,90.551 v1(96.266,85.471)
  Control Signals 1 w0.254: v1(65.913,114.3) 65.913,108.966 66.802,108.077 70.231,108.077 72.009,106.299 72.009,103.378 76.327,99.06 78.105,99.06 80.518,96.647 80.518,94.361 82.804,92.075 84.582,92.075 88.646,88.011 89.662,88.011 91.44,86.233 95.504,86.233 v1(96.266,85.471)
  Bottom Layer w0.35: v1(65.913,114.3) 65.913,113.908 66.156,113.665 ; 66.15,112.4 66.15,113.5
CTRLA_BURN_SAIL: "LCLTK_R3_LCL-TK MAIN.2" "LCLTK_R5_LCL-TK MAIN.2" CTRLA_U4.41 | length 56
  Top Layer w0.3: CTRLA_U4.41@95.574,92.956 95.574,91.878 95.959,91.493 96.721,91.493 97.132,91.082 v1(97.132,90.012)
  Control Signals 1 w0.208: 85.979,92.456 87.884,90.551 88.773,90.551 89.43,91.208 90.91,91.208 92.837,89.281 92.837,88.94 93.304,88.474 95.593,88.474 v1(97.132,90.012)
  Control Signals 1 w0.254: v1(66.929,117.983) 67.437,117.983 70.866,114.554 70.866,110.998 75.311,106.553 75.311,104.902 77.851,102.362 77.851,101.346 81.915,97.282 81.915,96.774 82.677,96.012 84.963,96.012 85.979,94.996 85.979,92.456
  Bottom Layer w0.3: v1(66.929,117.983) 66.929,117.867 67.956,116.84
  Bottom Layer w0.4: 67.95,115.581 67.95,116.781